# Altium PCB IOT_Masterv2_301115.PcbDoc (part 1 of 2)
Units mm, origin at the board's own origin, x right, y up, seen from the top; angles counter-clockwise.
Board outline 105 x 110 mm, 2 copper layers (Top Layer, Bottom Layer); 132 components, 115 nets, 767 pads, 50 vias.
Unrouted connection lines stored in the file: 3.
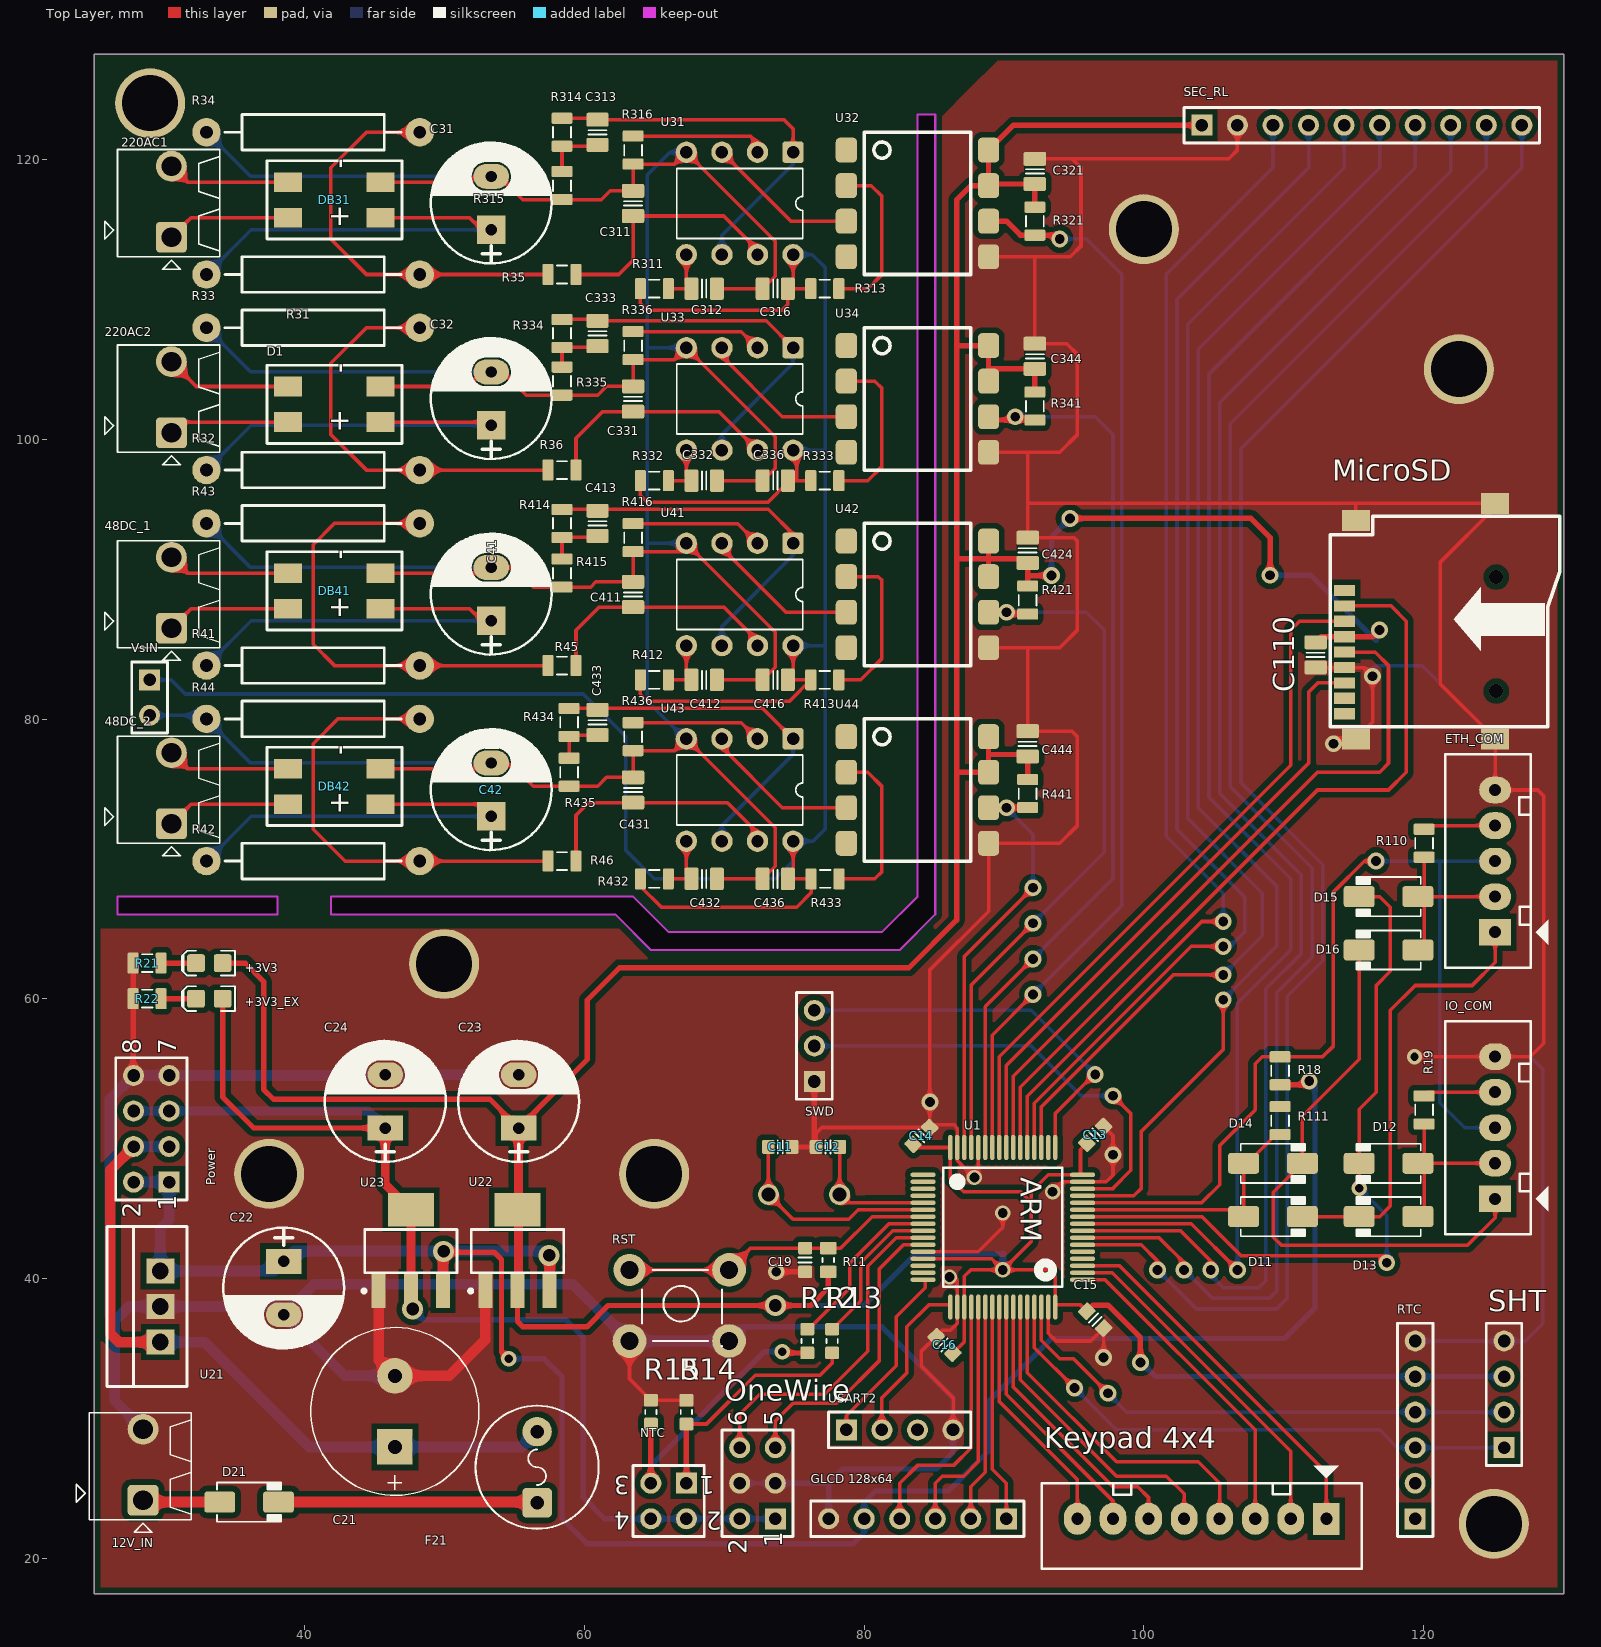
[diagram p0: Top Layer view]
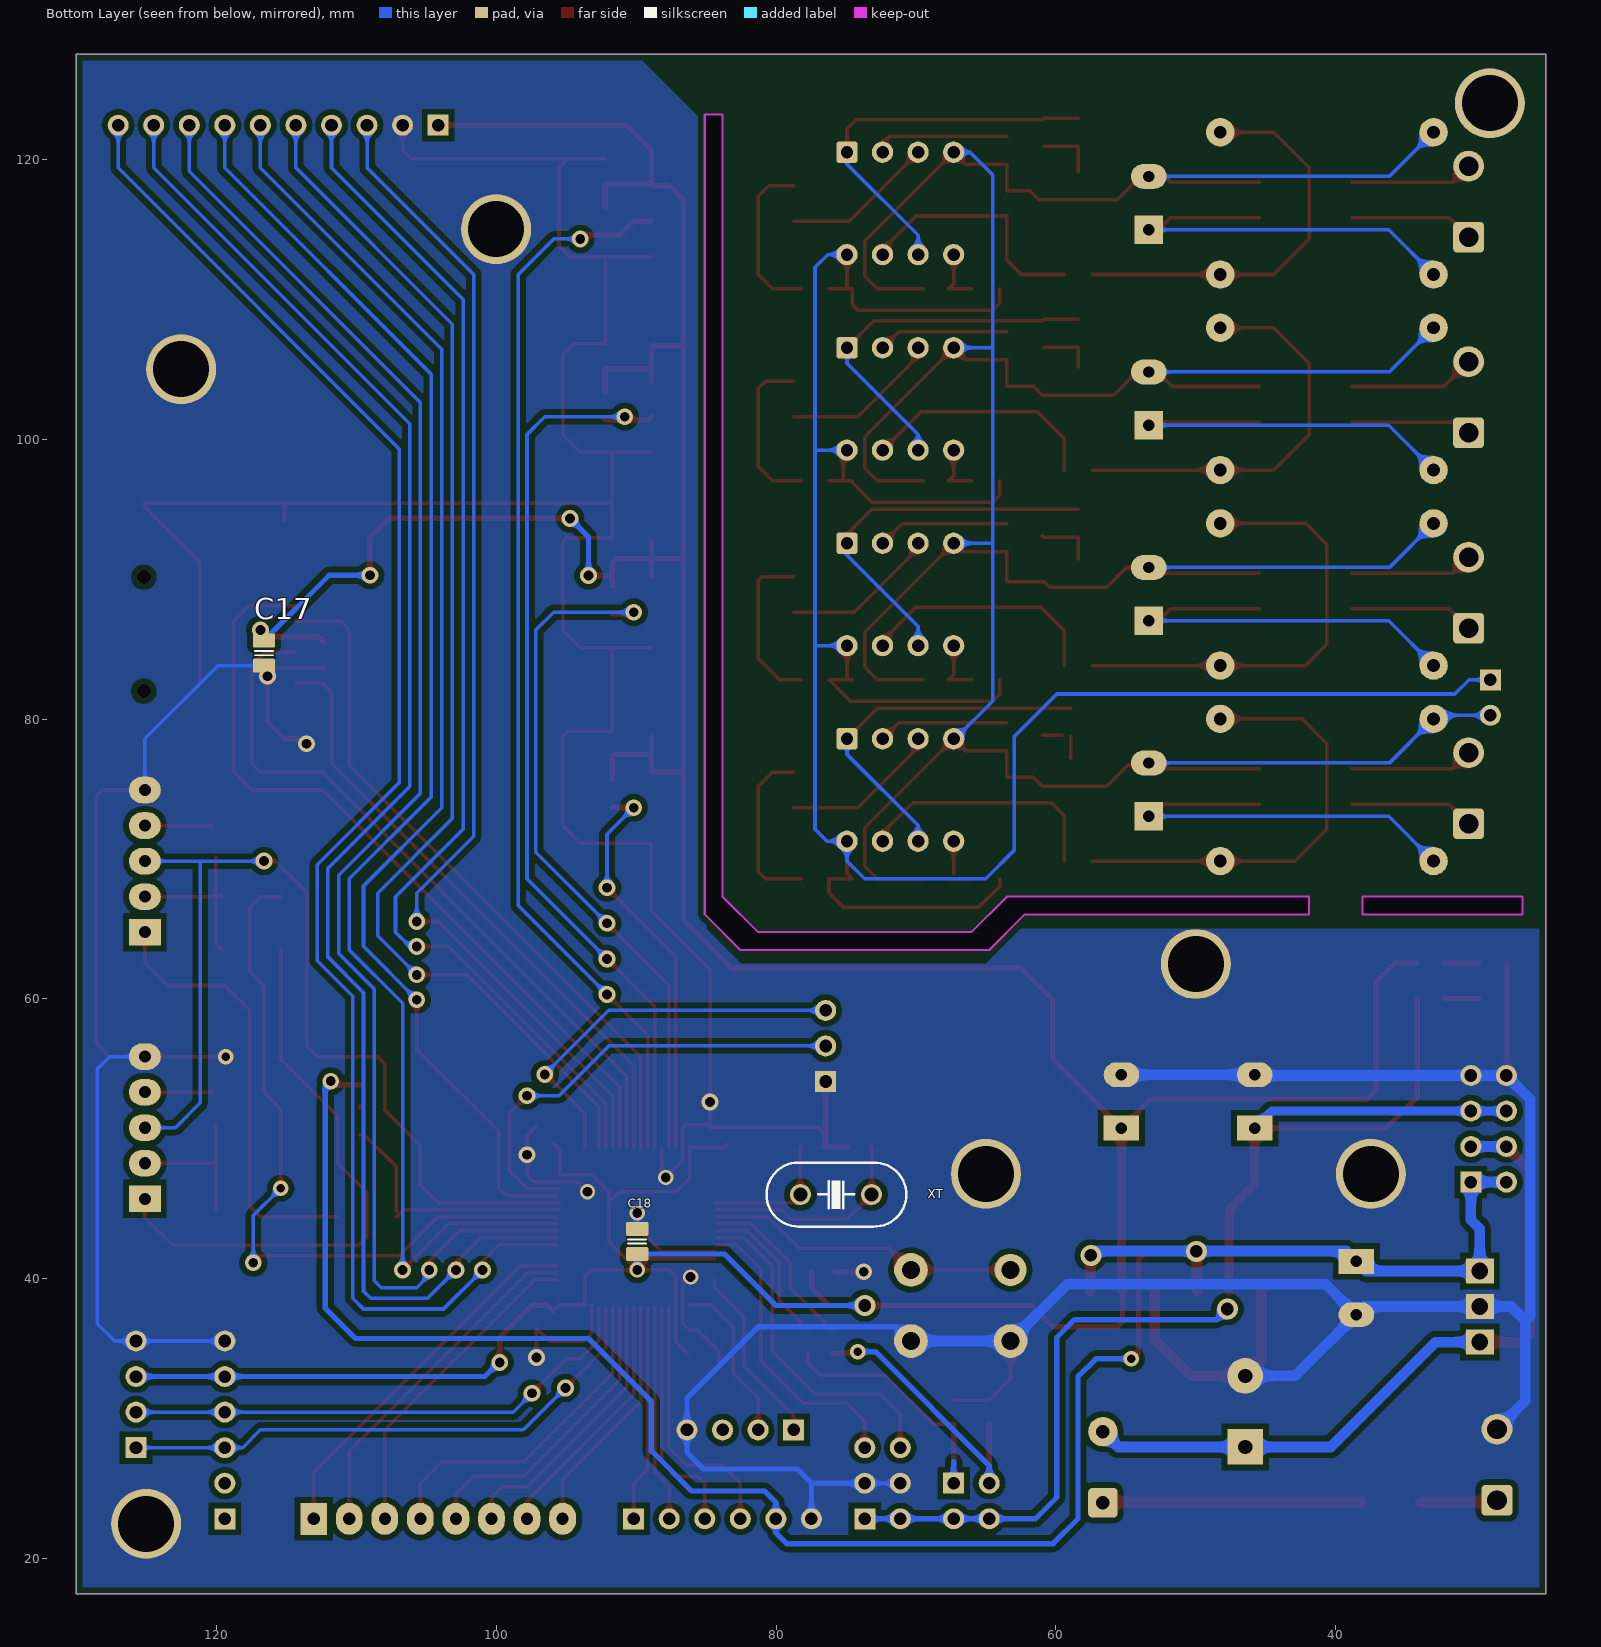
[diagram p1: Bottom Layer view, seen from below]
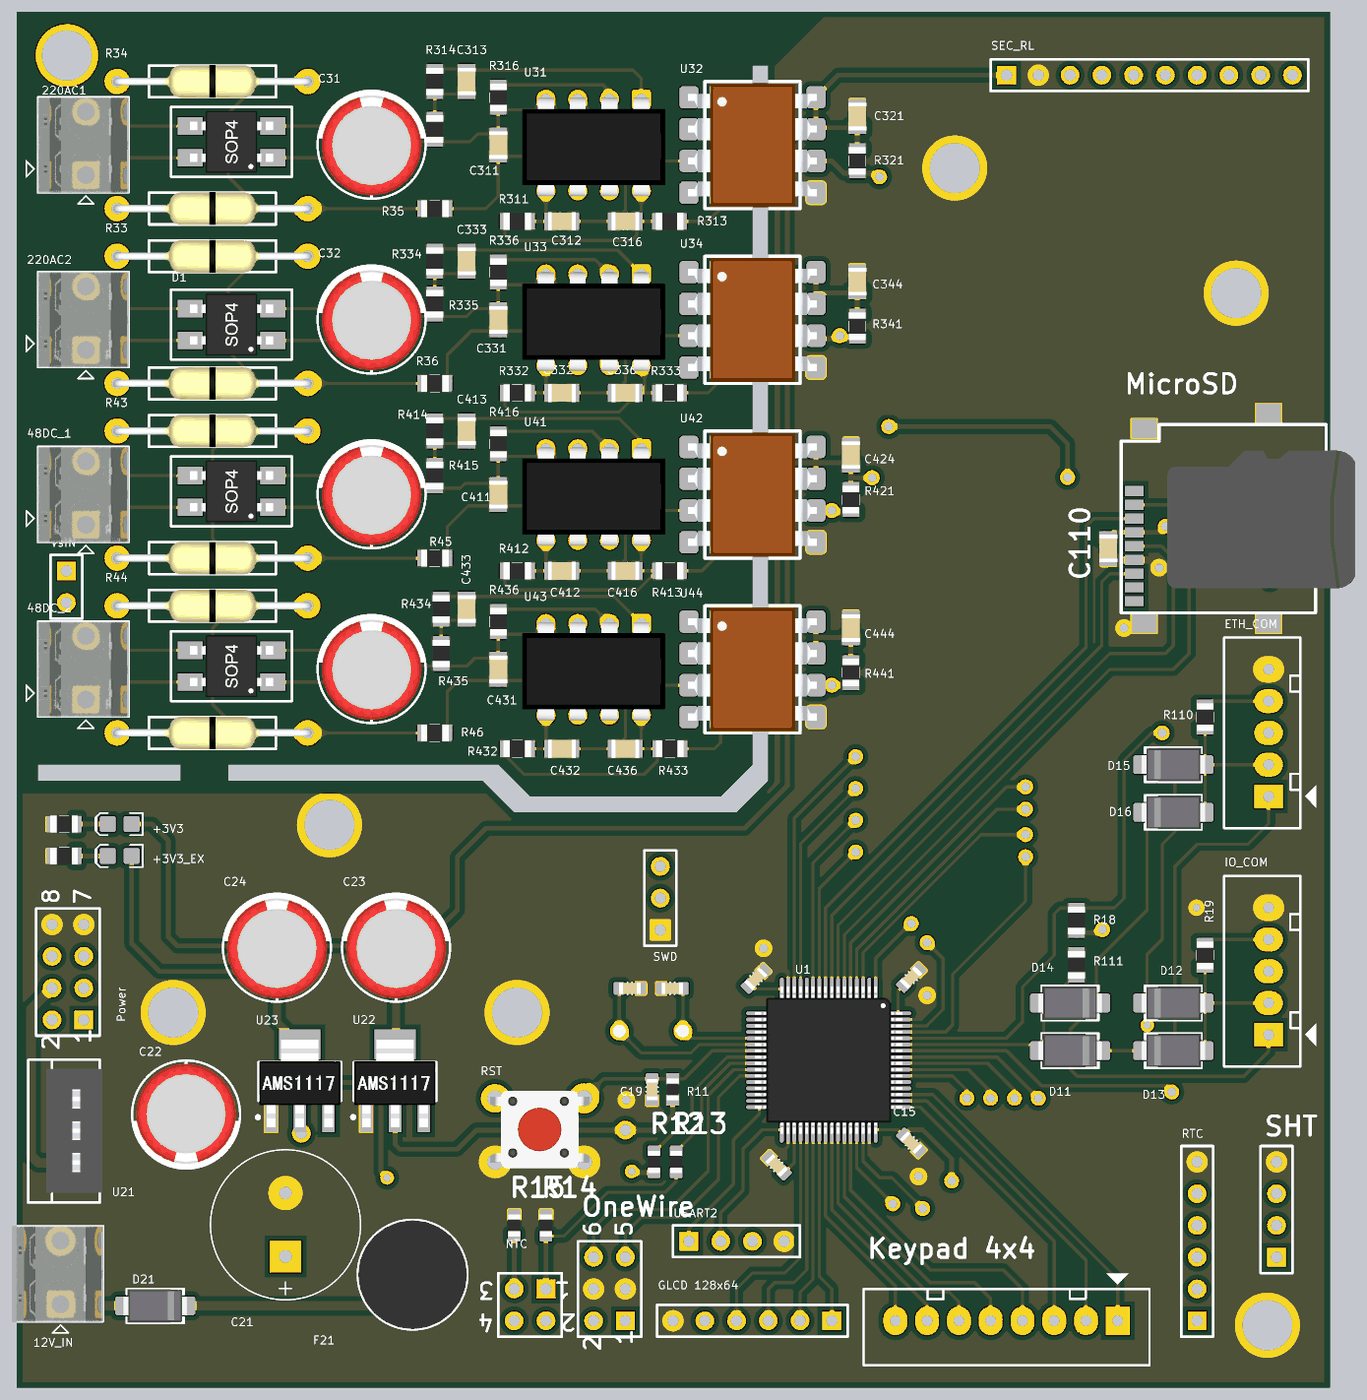
[diagram p3: 3D render of the assembled board from above, using the file's embedded part models]
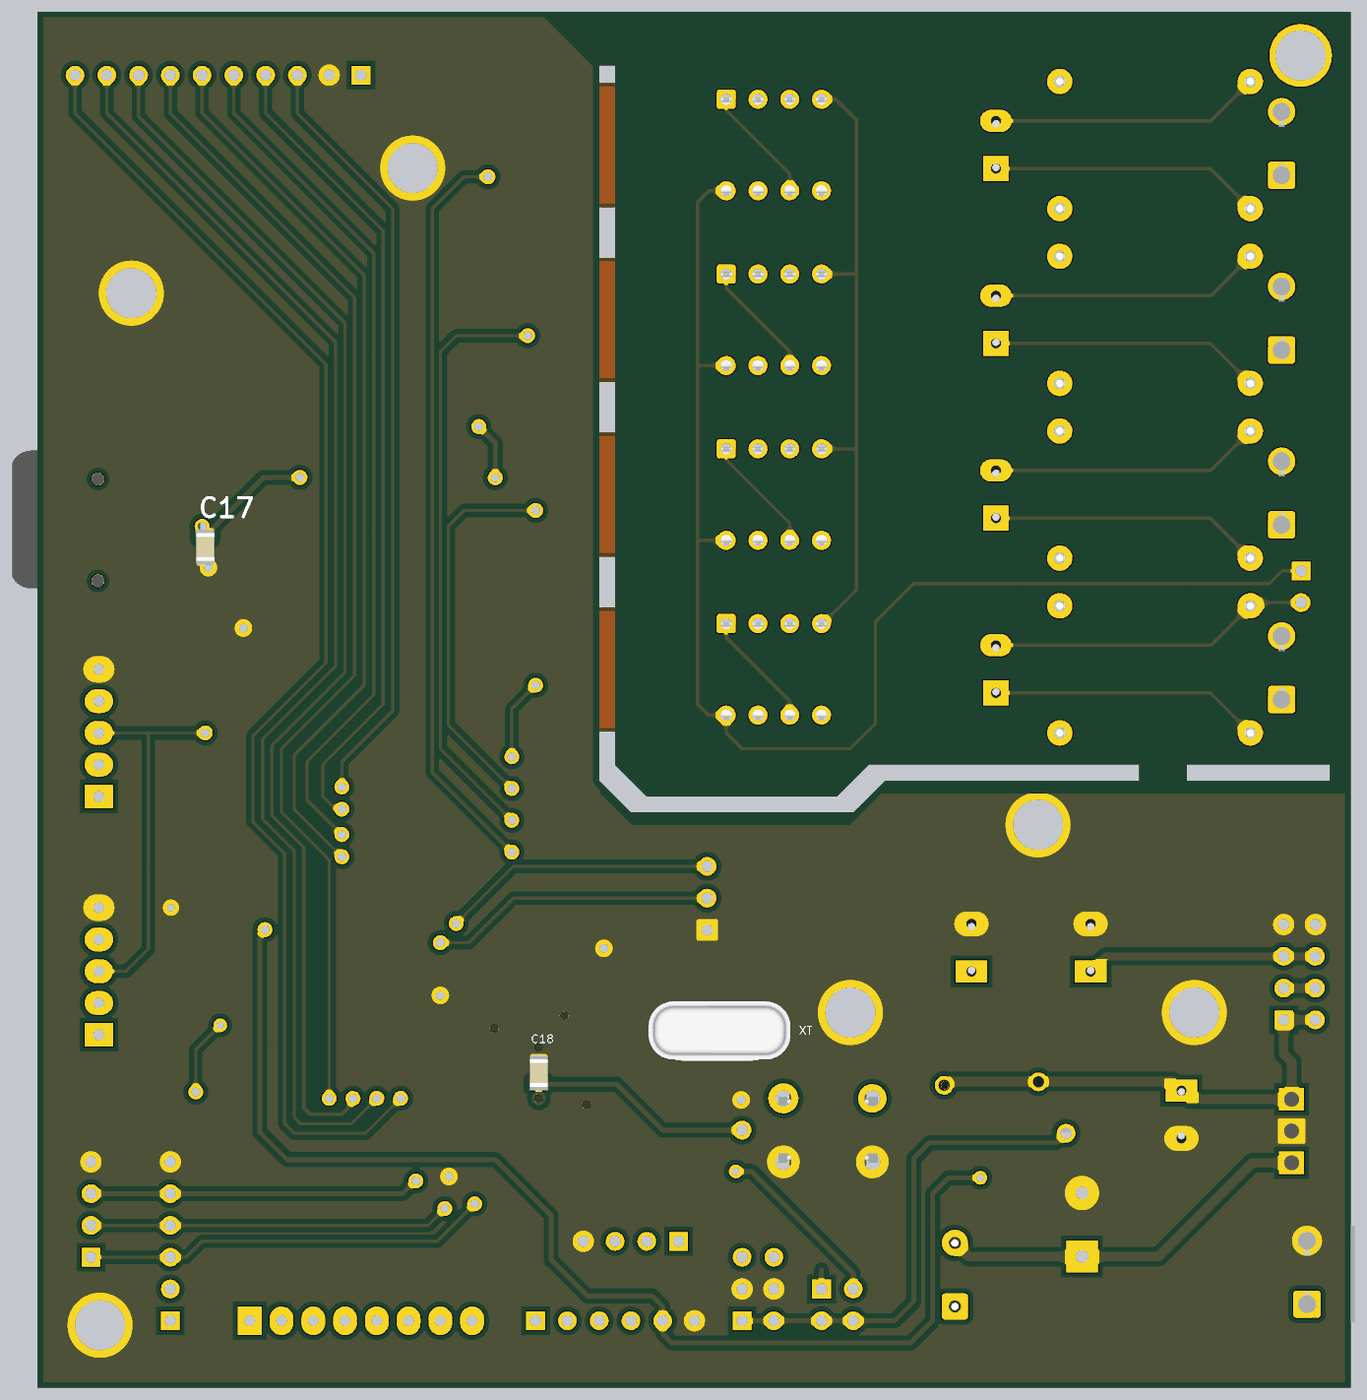
[diagram p4: 3D render of the assembled board from below, using the file's embedded part models]

## Layer stack, top to bottom
Top Solder: solder mask 0.0102, Solder Resist, Dk 3.5
Top Layer: signal copper 0.0356
Dielectric 1: dielectric 0.32, FR-4, Dk 4.8
Bottom Layer: signal copper 0.0356
Bottom Solder: solder mask 0.0102, Solder Resist, Dk 3.5

## Board outline
25,17.5 25,127.5 130,127.5 130,17.5
cut-out: 26.67,66.04 38.1,66.04 38.1,67.31 26.67,67.31
cut-out: 41.91,67.31 63.5,67.31 66.04,64.77 81.28,64.77 83.82,67.31 83.82,123.19 85.09,123.19 85.09,66.04 82.55,63.5 64.77,63.5 62.23,66.04 41.91,66.04

## Design rules (kind name [scope] priority, off if disabled: settings)
Clearance [All] p1: gap=0.178 except(0.4: Arc-Poly Track-Poly SMDPad-Poly THPad-Poly Via-Poly Fill-Poly Poly-Poly)
PlaneConnect [All] p1: planeconnectstyle=Direct reliefexpansion=0.508 reliefentries=4 reliefconductorwidth=0.254 reliefairgap=0.254
PolygonConnect [All] p1: connectstyle=Direct reliefconductorwidth=0.254 reliefentries=4 polygonreliefangle="90 Angle" airgapwidth=0.254
RoutingVias [All] p1: holewidth=0.711 width=1.27 viastyle="Through Hole" minholewidth=0.6 minwidth=1.1 maxholewidth=5 maxwidth=5
SolderMaskExpansion [All] p1: expansion=0.102
Width [All] p1: maxlimit=5 minlimit=0.254 preferedwidth=0.254
29 further rules are at their usual default settings.

## Classes and differential pairs
component class IOT_Masterv2_301115: C11 C12 C13 C14 C15 C16 C17 C18 C19 C110 "GLCD 128x64" "Keypad 4x4" MicroSD NTC OneWire R11 R12 R13 R14 R15 RST RTC SEC_RL SHT SWD U1 USART2 XT
component class IOT_Masterv2_301115_Power: 12V_IN +3V3 +3V3_EX C21 C22 C23 C24 D21 F21 Power R21 R22 U21 U22 U23
component class Measure_v2_301115: 48DC_1 48DC_2 220AC1 220AC2 C31 C32 C41 C42 C311 C312 C313 C316 C321 C331 C332 C333 C336 C344 C411 C412 C413 C416 C424 C431 C432 C433 C436 C444 D1 DB31 DB41 DB42 R31 R32 R33 R34 R35 R36 R41 R42 R43 R44 R45 R46 R311 R313 R314 R315 R316 R321 R332 R333 R334 R335 R336 R341 R412 R413 R414 R415 R416 R421 R432 R433 R434 R435 R436 R441 U31 U32 U33 U34 U41 U42 U43 U44 VsIN
component class IOT_Masterv2_301115_Comunication: D11 D12 D13 D14 D15 D16 ETH_COM IO_COM R18 R19 R110 R111

## Components (designator, comment, footprint, x,y, rotation, side; value= is the part's Value field where it differs from the comment)
12V_IN "Stackable ScrewTerm" 2P_PCB_ScrewTerm_200mil 24.638,22.784 r0 top
48DC_1 "Stackable ScrewTerm" 2P_PCB_ScrewTerm_200mil 26.67,85.09 r0 top
48DC_2 "Stackable ScrewTerm" 2P_PCB_ScrewTerm_200mil 26.67,71.12 r0 top
220AC1 "Stackable ScrewTerm" 2P_PCB_ScrewTerm_200mil 26.67,113.03 r0 top
220AC2 "Stackable ScrewTerm" 2P_PCB_ScrewTerm_200mil 26.67,99.06 r0 top
+3V3 "Blue" LED-0805-K 33.223,62.56 r180 top
+3V3_EX "Blue" LED-0805-K 33.223,60.02 r180 top
C11 "Cap_22p_0603" CAPC1608N 74.016,49.428 r0 top
C12 "Cap_22p_0603" CAPC1608N 77.419,49.428 r180 top
C13 "Cap_104_0603" CAPC1608N 96.52,50.292 r225 top
C14 "Cap_104_0603" CAPC1608N 84.099,50.216 r225 top
C15 "Cap_104_0603" CAPC1608N 96.52,37.084 r135 top
C16 "Cap_104_0603" CAPC1608N 85.75,35.281 r315 top
C17 "CAP NP" CAPC2012N_F#1 116.586,84.709 r90 bottom
C18 "Cap_10uF_0805" CAPC2012N_F#1 89.916,42.672 r270 bottom
C19 "Cap_104_0603" CAPC1608N 75.794,41.351 r90 top
C21 "2200uF/35V" CP_1000uF_25V 46.482,30.531 r90 top
C22 "330uF/25V" CP1.5/3.4 38.532,41.25 r270 top
C23 "330uF/25V" CP1.5/3.4 55.321,50.775 r90 top
C24 "330uF/25V" CP1.5/3.4 45.796,50.775 r90 top
C31 "Cap" "CAP 3.8mm" 53.34,116.84 r90 top
C32 "Cap" "CAP 3.8mm" 53.34,102.87 r90 top
C41 "Cap" "CAP 3.8mm" 53.34,88.9 r90 top
C42 "Cap" "CAP 3.8mm" 53.34,74.93 r90 top
C110 "CAP NP" CAPC2012N_F#2 112.268,84.582 r90 top
C311 "CAP NP" CAPC2012N_F#2 63.5,116.84 r270 top
C312 "CAP NP" CAPC2012N_F#2 68.58,110.744 r180 top
C313 "CAP NP" CAPC2012N_F#2 60.96,121.92 r270 top
C316 "CAP NP" CAPC2012N_F#2 73.66,110.744 r0 top
C321 "CAP NP" CAPC2012N_F#2 92.202,119.126 r270 top
C331 "CAP NP" CAPC2012N_F#2 63.5,102.87 r270 top
C332 "CAP NP" CAPC2012N_F#2 68.58,97.028 r180 top
C333 "CAP NP" CAPC2012N_F#2 60.96,107.55 r270 top
C336 "CAP NP" CAPC2012N_F#2 73.66,97.028 r0 top
C344 "CAP NP" CAPC2012N_F#2 92.202,105.918 r270 top
C411 "CAP NP" CAPC2012N_F#2 63.5,88.9 r270 top
C412 "CAP NP" CAPC2012N_F#2 68.58,82.804 r180 top
C413 "CAP NP" CAPC2012N_F#2 60.96,93.98 r270 top
C416 "CAP NP" CAPC2012N_F#2 73.66,82.804 r0 top
C424 "CAP NP" CAPC2012N_F#2 91.694,92.056 r270 top
C431 "CAP NP" CAPC2012N_F#2 63.5,74.93 r270 top
C432 "CAP NP" CAPC2012N_F#2 68.58,68.58 r180 top
C433 "CAP NP" CAPC2012N_F#2 60.96,79.756 r270 top
C436 "CAP NP" CAPC2012N_F#2 73.66,68.58 r0 top
C444 "CAP NP" CAPC2012N_F#2 91.694,78.232 r270 top
D1 "Bridge" MB6S 46.99,99.695 r90 top
D11 "Diode" DO-214AC 109.22,44.45 r0 top
D12 "Diode" DO-214AC 109.22,48.26 r0 top
D13 "Diode" DO-214AC 117.475,44.45 r180 top
D14 "Diode" DO-214AC 117.475,48.26 r180 top
D15 "Diode" DO-214AC 117.475,67.31 r180 top
D16 "Diode" DO-214AC 117.475,63.5 r180 top
D21 "Diode" DO-214AC 36.068,24.054 r0 top
DB31 "Bridge" MB6S 46.99,114.3 r90 top
DB41 "Bridge" MB6S 46.99,86.36 r90 top
DB42 "Bridge" MB6S 46.99,72.39 r90 top
ETH_COM "JP5" CON5 125.095,64.77 r90 top
F21 "1.5A" FUSE_SR-5-BK 56.642,26.543 r90 top
"GLCD 128x64" "Header 6" HDR1X6 90.17,22.86 r180 top
IO_COM "JP5" CON5 125.095,45.72 r90 top
"Keypad 4x4" "JP8" CON8 113.03,22.86 r180 top
MicroSD "SD_CARD" MICROSD2 119.38,86.995 r270 top
NTC "Header 2X2" HDR2X2 67.31,25.4 r180 top
OneWire "Header 3X2" HDR2X3 73.66,22.86 r90 top
Power "Header 4X2" HDR2X4 30.353,46.914 r90 top
R11 "Res_10k_0603" RESC1608N_F 77.445,41.351 r270 top
R12 "Res" RESC1608N_ZERO 75.946,35.56 r90 top
R13 "Res" RESC1608N_ZERO 77.724,35.56 r90 top
R14 "Res" RESC1608N_ZERO 67.31,30.48 r270 top
R15 "Res" RESC1608N_ZERO 64.77,30.48 r270 top
R18 "Res" RESC2012N_F 109.728,54.864 r270 top
R19 "Res" RESC2012N_F 120.015,52.07 r90 top
R21 "Res_0805_1k" RESC2012N_F 28.778,62.56 r180 top
R22 "Res_0805_1k" RESC2012N_F 28.778,60.02 r180 top
R31 "Res" RESTH_0.0R_AXIAL-0.6 40.64,111.76 r0 top
R32 "Res" RESTH_0.0R_AXIAL-0.6 40.64,97.79 r0 top
R33 "Res" RESTH_0.0R_AXIAL-0.6 40.64,107.95 r0 top
R34 "Res" RESTH_0.0R_AXIAL-0.6 40.64,121.92 r0 top
R35 "Res" RESC2012N_F 58.42,111.76 r0 top
R36 "Res" RESC2012N_F 58.42,97.79 r0 top
R41 "Res" RESTH_0.0R_AXIAL-0.6 40.64,83.82 r0 top
R42 "Res" RESTH_0.0R_AXIAL-0.6 40.64,69.85 r0 top
R43 "Res" RESTH_0.0R_AXIAL-0.6 40.64,93.98 r0 top
R44 "Res" RESTH_0.0R_AXIAL-0.6 40.64,80.01 r0 top
R45 "Res" RESC2012N_F 58.42,83.82 r0 top
R46 "Res" RESC2012N_F 58.42,69.85 r0 top
R110 "Res" RESC2012N_F 120.015,71.12 r90 top
R111 "Res" RESC2012N_F 109.728,51.308 r90 top
R311 "Res" RESC2012N_F 65.024,110.744 r0 top
R313 "Res" RESC2012N_F 77.2,110.744 r180 top
R314 "Res" RESC2012N_F 58.42,121.92 r90 top
R315 "Res" RESC2012N_F 58.42,118.11 r90 top
R316 "Res" RESC2012N_F 63.5,120.65 r90 top
R321 "Res" RESC2012N_F 92.202,115.57 r90 top
R332 "Res" RESC2012N_F 65.024,97.028 r0 top
R333 "Res" RESC2012N_F 77.2,97.028 r180 top
R334 "Res" RESC2012N_F 58.42,107.55 r90 top
R335 "Res" RESC2012N_F 58.42,104.14 r90 top
R336 "Res" RESC2012N_F 63.5,106.68 r90 top
R341 "Res" RESC2012N_F 92.202,102.362 r90 top
R412 "Res" RESC2012N_F 65.024,82.804 r0 top
R413 "Res" RESC2012N_F 77.2,82.804 r180 top
R414 "Res" RESC2012N_F 58.42,93.98 r90 top
R415 "Res" RESC2012N_F 58.42,90.424 r90 top
R416 "Res" RESC2012N_F 63.5,92.964 r90 top
R421 "Res" RESC2012N_F 91.694,88.5 r90 top
R432 "Res" RESC2012N_F 65.024,68.58 r0 top
R433 "Res" RESC2012N_F 77.216,68.58 r180 top
R434 "Res" RESC2012N_F 58.928,79.756 r90 top
R435 "Res" RESC2012N_F 58.928,76.2 r270 top
R436 "Res" RESC2012N_F 63.5,78.74 r90 top
R441 "Res" RESC2012N_F 91.694,74.676 r90 top
RST "Button" SW 66.802,38.354 r0 top
RTC "Header 6" HDR1X6 119.38,22.86 r90 top
SEC_RL "Header 10" HDR1X10 104.14,122.428 r0 top
SHT "Header 4" HDR1X4 125.73,27.94 r90 top
SWD "Header 3" HDR1X3 76.454,54.102 r90 top
U1 "STM32F103RCT6" LQFP64_Tuan 89.916,43.688 r0 top
U21 "LM7805" TO-220 29.718,38.024 r90 top
U22 "AS1117" SOT223-4N 51.638,37.744 r0 top
U23 "AS1117" SOT223-4N 44.018,37.744 r0 top
U31 "LM331" DIP8-300 71.12,116.84 r270 top
U32 "6N137" SMD-8 81.28,115.57 r270 top
U33 "LM331" DIP8-300 71.12,102.87 r270 top
U34 "6N137" SMD-8 81.28,101.6 r270 top
U41 "LM331" DIP8-300 71.12,88.9 r270 top
U42 "6N137" SMD-8 81.28,87.63 r270 top
U43 "LM331" DIP8-300 71.12,74.93 r270 top
U44 "6N137" SMD-8 81.28,73.66 r270 top
USART2 "Header 4" HDR1X4 78.74,29.21 r0 top
VsIN "Header 2" HDR1X2 28.956,82.804 r270 top
XT "8MHz" XT2 75.717,46.023 r0 bottom

## Footprints (in the part's own frame and the unit in brackets; to place one, negate y for a bottom-side part, rotate by r counter-clockwise, add the part's x,y. Pads: shape width x height; smd on the part's side, far side on the other; paste and mask are expansions set on the pad)
2P_PCB_ScrewTerm_200mil [mm]
  rrect25% 2.2x2.2 hole 1.4: 1(3.85,1.397)
  round 2.2 hole 1.4: 2(3.85,6.477)
  silkscreen extent -0.93,-0.89 7.3,7.66, body extent 0,0 7.3,7.62, height 8.5
"CAP 3.8mm" [mil] "16V 470uF"
  rect 80x80 hole 31.5: 1(-74,-1)
  oval 70x100 hole 31.5: 2(76,-1)
  silkscreen extent -169,-171 171,169, body extent -159,-158 156,156, height 446
CAPC1608N [mm] "Chip Capacitor, Body 1.6x0.8mm, 0603, IPC Medium Density"
  round 0.254 on Mech14: 0(0,0)
  rrect25% 0.9x1 smd: 1(-0.85,0) 2(0.85,0)
  Top Layer pour cut-out: -0.4,0.6 0.4,0.6 0.4,-0.6 -0.4,-0.6
  silkscreen extent -0.18,-0.48 0.18,0.48, body extent -0.85,-0.45 0.85,0.45, height 0.89
CAPC2012N_F#1 [mm] "Chip Capacitor, Body 2.0x1.2mm, 0805, IPC Medium Density, for Flex circuits"
  round 0.254 on Mech14: 0(0,0)
  rrect25% 1.2x1.4 on Bottom Solder: 1(-0.9,0) 1(0.9,0)
  rrect25% 1x1.6 smd paste-1: 1(-0.9,0) 2(0.9,0)
  rrect25% 1x1.4 on Bottom Paste: 1(-0.9,0) 1(0.9,0)
  Top Layer pour cut-out: -0.4,0.8 0.4,0.8 0.4,-0.8 -0.4,-0.8
  silkscreen extent -0.15,-0.65 0.15,0.65, body extent -1.1,-0.72 1.1,0.73, height 1.34
CAPC2012N_F#2 [mm] "Chip Capacitor, Body 2.0x1.2mm, 0805, IPC Medium Density, for Flex circuits"
  round 0.254 on Mech14: 0(0,0)
  rrect25% 1.2x1.4 on Top Solder: 1(-0.9,0) 1(0.9,0)
  rrect25% 1x1.6 smd paste-1: 1(-0.9,0) 2(0.9,0)
  rrect25% 1x1.4 on Top Paste: 1(-0.9,0) 1(0.9,0)
  Top Layer pour cut-out: -0.4,0.8 0.4,0.8 0.4,-0.8 -0.4,-0.8
  silkscreen extent -0.15,-0.65 0.15,0.65, body extent -1.1,-0.72 1.1,0.73, height 1.34
CON5 [mil] "CON5"
  rect 75x90 hole 34: 1(0,0)
  oval 75x90 hole 34: 2(100,0) 3(200,0) 4(300,0) 5(400,0)
  silkscreen extent -100,-150 500,140
CON8 [mil] "CON8"
  rect 75x90 hole 34: 1(0,0)
  oval 75x90 hole 34: 2(100,0) 3(200,0) 4(300,0) 5(400,0) 6(500,0) 7(600,0) 8(700,0)
  silkscreen extent -100,-150 800,140
CP1.5/3.4 [mil] "Tu hoa 220->470uF,16V, 470uF/16V,25V"
  rect 70x100 hole 32: 1(0,0)
  oval 70x100 hole 32: 2(150,0)
  silkscreen extent -95,-170 245,170, body extent -85,-157 230,157, height 446
CP_1000uF_25V [mil]
  rect 100x100 hole 40: 1(-100,0)
  round 100 hole 40: 2(100,0)
  silkscreen extent -236,-236 236,236, body extent -236,-236 237,236, height 791
DIP8-300 [mil] "DIP, 8-Leads, 0.300\" lead span , 0.100\" lead pitch, IPC Density A"
  round 39.37 on Mech14: 0(0,0)
  rrect25% 60x60 hole 35: 1(-144,150)
  round 60 hole 35: 2(-144,50) 3(-144,-50) 4(-144,-150) 5(144,-150) 6(144,-50) 7(144,50) 8(144,150)
  silkscreen extent -98,-177 98,177, body extent -149,-225 161,225, height 165
DO-214AC [mm] "JEDEC DO214 variation AC. SMA"
  round 0.508 on Mech14: 0(0,0)
  rrect25% 2.2x1.5 smd: A(-2.1,0) K(2.1,0)
  silkscreen extent -2.3,-1.4 2.3,1.4, body extent -2.6,-1.3 2.6,1.3, height 2.42
FUSE_SR-5-BK [mm]
  round 0.5 on Mech14: 0(0,0)
  rrect25% 2.1x2.1 hole 0.965: 1(-2.54,0)
  round 2.1 hole 0.965: 2(2.54,0)
  silkscreen extent -4.4,-4.4 4.4,4.4, body extent -4.35,-4.32 4.35,4.32, height 8.29
HDR1X2 [mm] "Connector; Header; 2 Position"
  rect 1.5x1.5 hole 0.9: 1(0,0)
  round 1.5 hole 0.9: 2(2.54,0)
  silkscreen extent -1.27,-1.27 3.81,1.27, body extent -1.27,-1.27 3.81,1.27, height 7
HDR1X3 [mm] "Connector; Header; 3 Position"
  rect 1.5x1.5 hole 0.9: 1(0,0)
  round 1.5 hole 0.9: 2(2.54,0) 3(5.08,0)
  silkscreen extent -1.27,-1.27 6.35,1.27, body extent -1.27,-1.27 6.35,1.27, height 7
HDR1X4 [mm] "Connector; Header; 4 Position"
  rect 1.5x1.5 hole 0.9: 1(0,0)
  round 1.5 hole 0.9: 2(2.54,0) 3(5.08,0) 4(7.62,0)
  silkscreen extent -1.27,-1.27 8.89,1.27, body extent -1.27,-1.27 8.89,1.27, height 7
HDR1X6 [mm] "Connector; Header; 6 Position"
  rect 1.5x1.5 hole 0.9: 1(0,0)
  round 1.5 hole 0.9: 2(2.54,0) 3(5.08,0) 4(7.62,0) 5(10.16,0) 6(12.7,0)
  silkscreen extent -1.27,-1.27 13.97,1.27
HDR1X10 [mm] "Connector; Header; 10 Position"
  rect 1.5x1.5 hole 0.9: 1(0,0)
  round 1.5 hole 0.9: 2(2.54,0) 3(5.08,0) 4(7.62,0) 5(10.16,0) 6(12.7,0) 7(15.24,0) 8(17.78,0) 9(20.32,0) 10(22.86,0)
  silkscreen extent -1.27,-1.27 24.13,1.27
HDR2X2 [mm] "Connector; Header; 2x2 Position"
  rect 1.5x1.5 hole 0.9: 1(0,0)
  round 1.5 hole 0.9: 2(0,2.54) 3(2.54,0) 4(2.54,2.54)
  silkscreen extent -1.27,-1.27 3.81,3.81, body extent -1.27,-1.27 3.81,3.81, height 7
HDR2X3 [mm] "Connector; Header; 3x2 Position"
  rect 1.5x1.5 hole 0.9: 1(0,0)
  round 1.5 hole 0.9: 2(0,2.54) 3(2.54,0) 4(2.54,2.54) 5(5.08,0) 6(5.08,2.54)
  silkscreen extent -1.27,-1.27 6.35,3.81, body extent -1.27,-1.27 6.35,3.81, height 7
HDR2X4 [mm] "Connector; Header; 4x2 Position"
  rect 1.5x1.5 hole 0.9: 1(0,0)
  round 1.5 hole 0.9: 2(0,2.54) 3(2.54,0) 4(2.54,2.54) 5(5.08,0) 6(5.08,2.54) 7(7.62,0) 8(7.62,2.54)
  silkscreen extent -1.27,-1.27 8.89,3.81, body extent -1.27,-1.27 8.89,3.81, height 7
LED-0805-K [mil]
  round 20 on Mech14: 0(0,0)
  rrect25% 50x50 smd: A(-37.5,0) K(37.5,0)
  Top Layer pour cut-out: -15,30 15,30 15,-30 -15,-30
  silkscreen extent -72,-35 77,35, body extent -39,-25 39,25, height 31
LQFP64_Tuan [mm] "Thin QFP, 64-Leads, Body 10x10mm, Pitch 0.5mm, IPC Medium Density"
  oval 1.8x0.3 smd: 1(-5.7,3.75) 2(-5.7,3.25) 3(-5.7,2.75) 4(-5.7,2.25) 5(-5.7,1.75) 6(-5.7,1.25) 7(-5.7,0.75) 8(-5.7,0.25) 9(-5.7,-0.25) 10(-5.7,-0.75) 11(-5.7,-1.25) 12(-5.7,-1.75) 13(-5.7,-2.25) 14(-5.7,-2.75) 15(-5.7,-3.25) 16(-5.7,-3.75) 33(5.7,-3.75) 34(5.7,-3.25) 35(5.7,-2.75) 36(5.7,-2.25) 37(5.7,-1.75) 38(5.7,-1.25) 39(5.7,-0.75) 40(5.7,-0.25) 41(5.7,0.25) 42(5.7,0.75) 43(5.7,1.25) 44(5.7,1.75) 45(5.7,2.25) 46(5.7,2.75) 47(5.7,3.25) 48(5.7,3.75)
  oval 0.3x1.8 smd: 17(-3.75,-5.7) 18(-3.25,-5.7) 19(-2.75,-5.7) 20(-2.25,-5.7) 21(-1.75,-5.7) 22(-1.25,-5.7) 23(-0.75,-5.7) 24(-0.25,-5.7) 25(0.25,-5.7) 26(0.75,-5.7) 27(1.25,-5.7) 28(1.75,-5.7) 29(2.25,-5.7) 30(2.75,-5.7) 31(3.25,-5.7) 32(3.75,-5.7) 49(3.75,5.7) 50(3.25,5.7) 51(2.75,5.7) 52(2.25,5.7) 53(1.75,5.7) 54(1.25,5.7) 55(0.75,5.7) 56(0.25,5.7) 57(-0.25,5.7) 58(-0.75,5.7) 59(-1.25,5.7) 60(-1.75,5.7) 61(-2.25,5.7) 62(-2.75,5.7) 63(-3.25,5.7) 64(-3.75,5.7)
  silkscreen extent -4.25,-4.25 4.25,4.25, body extent -5.89,-5.89 5.89,5.89, height 1.58
MB6S [mm] "Surface mount diode bridge"
  rect 1.4x2 smd: 1(1.524,1.524) 2(1.524,8.128) 3(4.064,8.128) 4(4.064,1.524)
  silkscreen extent 0,0 5.59,9.65, body extent 0.32,1.48 5.27,8.17, height 2.9
MICROSD2 [mm]
  rect 0.8x1.5 smd: 1(-2.184,-5.039) 2(-1.084,-5.039) 3(0.016,-5.039) 4(1.116,-5.039) 5(2.216,-5.039) 6(3.316,-5.039) 7(4.416,-5.039) 8(5.516,-5.039) 9(6.616,-5.039)
  rect 1.5x2 smd: 10(8.407,-4.235) 11(8.407,5.715) 12(-8.407,5.715) 13(-7.188,-4.235)
  silkscreen extent -7.49,-6.07 7.54,10.33, body extent -7.49,-4.56 7.54,12.62, height 1.85
RESC1608N_F [mm] "Chip Resistor, Body 1.6x0.8mm, 0603, IPC Medium Density, for Flex circuits"
  round 0.254 on Mech14: 0(0,0)
  rrect25% 0.9x1.2 smd paste-1: 1(-0.85,0) 2(0.85,0)
  rrect25% 1.1x1 on Top Solder: 1(-0.85,0) 1(0.85,0)
  rrect25% 0.9x1 on Top Paste: 1(-0.85,0) 1(0.85,0)
  Top Layer pour cut-out: -0.4,0.6 0.4,0.6 0.4,-0.6 -0.4,-0.6
  silkscreen extent -0.15,-0.41 0.15,0.41, body extent -0.87,-0.47 0.88,0.48, height 0.54
RESC1608N_ZERO [mm] "Chip Resistor, Body 1.6x0.8mm, 0603, IPC Medium Density"
  round 0.254 on Mech14: 0(0,0)
  rrect25% 0.9x1 smd: 1(-0.85,0) 2(0.85,0)
  Top Layer pour cut-out: -0.4,0.6 0.4,0.6 0.4,-0.6 -0.4,-0.6
  silkscreen extent -0.15,-0.41 0.15,0.41, body extent -0.87,-0.47 0.88,0.48, height 0.54
RESC2012N_F [mm] "Chip Resistor, Body 2.0x1.2mm, 0805, IPC Medium Density"
  round 0.254 on Mech14: 0(0,0)
  rrect25% 1x1.3 on Top Solder: 1(-1,0) 1(1,0)
  rrect25% 0.8x1.5 smd paste-1: 1(-1,0) 2(1,0)
  rrect25% 0.8x1.3 on Top Paste: 1(-1,0) 1(1,0)
  Top Layer pour cut-out: -0.6,0.75 0.6,0.75 0.6,-0.75 -0.6,-0.75
  silkscreen extent -0.38,-0.63 0.38,0.64, body extent -1.1,-0.67 1.1,0.68, height 0.69
RESTH_0.0R_AXIAL-0.6 [mil] "Axial Resistor 0 Ohm, Thru-Hole; 2 Leads; 0.6 in Pin Spacing"
  round 80 hole 36: 1(-300,0) 2(300,0)
  silkscreen extent -248,-50 248,50, body extent -312,-52 312,52, height 103
SMD-8 [mm] "6N137"
  rrect40% 1.78x1.52 smd: 1(-5.08,-2.54) 2(-2.54,-2.54) 3(0,-2.54) 4(2.54,-2.54) 5(2.54,7.62) 6(0,7.62) 7(-2.54,7.62) 8(-5.08,7.62)
  silkscreen extent -6.35,-1.27 3.81,6.35, body extent -6.22,-2.61 3.69,7.69, height 5.09
SOT223-4N [mm]
  rect 1x2.4 smd: 1(1.307,1.393) 2(3.607,1.393) 3(5.907,1.393)
  rect 3.3x2.4 smd: 4(3.607,7.193)
  silkscreen extent 0.13,1.27 6.91,5.79, body extent 0.36,0.6 6.86,7.59, height 1.87
SW [mil] "6.25x6.25mm"
  round 90 hole 50: 1(-140,90)
  round 95 hole 50: 1(140,90) 2(-140,-110) 2(140,-110)
  silkscreen extent -105,-125 120,90, body extent -156,-130 156,114, height 276
TO-220 [mm]
  rect 1.8x2 hole 1.2: 1(-2.54,0) 2(0,0) 3(2.54,0)
  silkscreen extent -5.71,-1.91 5.71,3.81, body extent -4.92,-2.13 4.98,2.37, height 8.08
XT2 [mm]
  round 1.5 hole 1: 1(-2.54,0) 2(2.54,0)
  silkscreen extent -5.03,-2.29 4.96,2.29, body extent -5.93,-2.36 5.42,2.29, height 3.5

## Part data
12V_IN 48DC_1 48DC_2 220AC1 220AC2: library part 2P_ScrewTerm_90S_3.81MM, "Terminal Block Screw Type THT 2-Position 3.81mm pitch"
+3V3 +3V3_EX: library part LED_SMD_Blue_0805_100mcd, "LED 0805 SMD Blue 100mcd 470nm"
C11 C12 C13 C14 C15 C16 C18 C19: library part "CAP NP"
C21 C22 C23 C24: library part CP4, "Cap 1000uF/16V - 220uF/50V"
D1 DB31 DB41 DB42: library part Bridge1, "Full Wave Diode Bridge"
ETH_COM IO_COM: library part Con5, "Connector 5"
F21: library part Fuse
"GLCD 128x64" RTC: "Header, 6-Pin"
"Keypad 4x4": library part Con8, "Connector 8"
MicroSD: library part MicroSD, "SD/MMC holder"
NTC: "Header, 2-Pin, Dual row"
OneWire: "Header, 3-Pin, Dual row"
Power: "Header, 4-Pin, Dual row"
R11 R21 R22: library part Res
RST: library part "Button I"
SEC_RL: "Header, 10-Pin"
SHT USART2: "Header, 4-Pin"
SWD: "Header, 3-Pin"
U1: "ARM Cortex-M3 32-bit MCU, 256 KB Flash, 48 KB Internal RAM, 51 I/Os, 64-pin LQFP, -40 to 85 degC, Tray"
U21: library part LM78xx
VsIN: "Header, 2-Pin"
XT: library part Crystal

## Free pads (board coordinates)
  round 5 hole 4: D(29,124) D(37.5,47.5) D(50,62.5) D(65,47.5) D(100,115) D(122.5,105) D(125,22.5)

## Via types
v1: diameter 1.2, hole 0.7, Top Layer to Bottom Layer, 34 vias
v2: diameter 1.1, hole 0.6, Top Layer to Bottom Layer, 5 vias
v3: diameter 1.1, hole 0.7, Top Layer to Bottom Layer, tented both sides, 5 vias
v4: diameter 1.5, hole 0.9, Top Layer to Bottom Layer, 4 vias
v5: diameter 1, hole 1, Top Layer to Bottom Layer, 2 vias

## Nets (pads, with @x,y where several pads share a name; then routed paths per layer and width w, separated by ;. In a path a pad name is that pad's centre, name@x,y a point inside that pad or via, vN(x,y) a via of type N, cw(c..) or ccw(c..) an arc to the next point about the centre after c; other vN are vias at no path point)
+3V3_EX: +3V3_EX.A C24.1 NTC.2 NTC.4 OneWire.1 OneWire.2 Power.5 Power.6 U23.2 U23.4 | length 89.5
  Top Layer w0.381: +3V3_EX.A@34.176,60.02 34.176,52.997 36.398,50.775 C24.1@45.796,50.775
  Top Layer w0.635: C24.1@45.796,50.775 45.796,46.766 U23.4@47.625,44.937 U23.2@47.625,39.137
  Bottom Layer w0.381: v4@47.498,37.846 v4(47.752,37.846) 48.514,37.084 58.674,37.084 59.944,35.814 59.944,24.384 61.468,22.86 NTC.4@64.77,22.86 NTC.2@67.31,22.86 OneWire.2@71.12,22.86 OneWire.1@73.66,22.86
  Bottom Layer w0.635: Power.6@27.813,51.994 Power.5@30.353,51.994 44.577,51.994 C24.1@45.796,50.775
+5V: "GLCD 128x64.5" C22.1 Power.1 Power.2 R18.2 R111.2 U21.3 U22.3 U23.3 | length 152.7
  Top Layer w0.381: v4@49.925,41.924 49.939,41.91 53.569,41.91 54.102,41.377 54.102,34.798 v2(54.61,34.29) ; R18.2@109.728,53.864 111.547,53.864 v1(111.811,54.127)
  Top Layer w0.762: U23.3@49.925,39.137 v4@49.925,41.924 ; v4(57.506,41.681) 57.545,41.642 U22.3@57.545,39.137
  Bottom Layer w0.381: v2(54.61,34.29) 57.15,34.29 58.42,33.02 58.42,22.86 60.198,21.082 79.248,21.082 80.01,21.844 80.01,22.86 80.01,24.028 80.823,24.841 86.03,24.841 88.875,27.686 88.925,27.686 88.925,31.267 93.396,35.738 110.033,35.738 112.217,37.922 112.217,53.721 v1(111.811,54.127)
  Bottom Layer w0.762: Power.2@27.813,46.914 Power.1@30.353,46.914 30.353,44.221 29.718,43.586 U21.3@29.718,40.564 37.846,40.564 C22.1@38.532,41.25 39.268,41.986 v4@49.962,41.986 ; v4(49.962,41.961) v4@49.962,41.986 ; v4(57.506,41.681) v2(57.455,41.681) 57.15,41.986 v4@49.962,41.986
+12V: C21.1 F21.2 Power.3 Power.4 U21.1 | length 50.9
  Top Layer w0.762: Power.4@27.813,49.454 26.137,47.777 26.137,36.093 26.746,35.484 U21.1@29.718,35.484
  Bottom Layer w0.762: Power.4@27.813,49.454 Power.3@30.353,49.454 ; U21.1@29.718,35.484 32.868,35.484 40.361,27.991 C21.1@46.482,27.991 55.55,27.991 F21.2@56.642,29.083
AC_IN1: C311.2 R35.2 U31.7 | length 17.9
  Top Layer w0.254: R35.2@59.42,111.76 62.484,111.76 63.5,112.776 C311.2@63.5,115.94 69.988,115.94 72.39,113.538 U31.7@72.39,113.182
AC_IN2: C331.2 R36.2 U33.7 | length 17.2
  Top Layer w0.254: R36.2@59.42,97.79 59.42,100.06 61.33,101.97 C331.2@63.5,101.97 69.632,101.97 U33.7@72.39,99.212
ADCX_IN10: R12.2 U1.8 | length 12.4
  Top Layer w0.254: R12.2@75.946,36.41 76.034,36.41 78.994,39.37 78.994,41.148 81.784,43.938 U1.8@84.216,43.938
ADCX_IN11: R13.2 U1.9 | length 11
  Top Layer w0.254: R13.2@77.724,36.41 79.756,38.442 79.756,41.148 82.046,43.438 U1.9@84.216,43.438
COLUM1: "Keypad 4x4.5" U1.27 | length 22.1
  Top Layer w0.254: U1.27@91.166,37.988 91.166,32.786 98.044,25.908 101.6,25.908 102.87,24.638 102.87,22.86
COLUM2: "Keypad 4x4.6" U1.26 | length 20.2
  Top Layer w0.254: U1.26@90.666,37.988 90.666,32.27 97.79,25.146 99.568,25.146 100.33,24.384 100.33,22.86
COLUM3: "Keypad 4x4.7" U1.25 | length 18.3
  Top Layer w0.254: U1.25@90.166,37.988 90.166,31.754 97.79,24.13 97.79,22.86
COLUM4: "Keypad 4x4.8" U1.24 | length 17.4
  Top Layer w0.254: U1.24@89.666,37.988 89.666,31.238 95.25,25.654 95.25,22.86
DC_IN1: C411.2 R45.2 U41.7 | length 17.5
  Top Layer w0.254: R45.2@59.42,83.82 59.42,86.344 61.076,88 C411.2@63.5,88 69.988,88 72.39,85.598 U41.7@72.39,85.242
DC_IN2: C431.2 R46.2 U43.7 | length 18.1
  Top Layer w0.254: R46.2@59.42,69.85 59.42,73.136 60.314,74.03 C431.2@63.5,74.03 70.242,74.03 72.39,71.882 U43.7@72.39,71.272
ETH_RX: D15.A D16.A ETH_COM.2 R110.1@120.015,70.12 | length 12.3
  Top Layer w0.254: D16.A@119.575,63.5 120.015,63.94 D15.A@120.015,67.31 ; D15.A@119.575,67.31 D15.A@120.015,67.31 ; R110.1@120.015,70.12 D15.A@120.015,67.31 ; ETH_COM.2@125.095,67.31 D15.A@120.015,67.31
ETH_TX: D11.K D13.K ETH_COM.1 | length 31.6
  Top Layer w0.254: D11.K@111.32,44.45 D13.K@115.375,44.45 116.84,44.45 117.602,45.212 117.602,59.182 119.38,60.96 123.444,60.96 125.095,62.611 ETH_COM.1@125.095,64.77
ETH_VCC: ETH_COM.4 R110.2 | length 4.8
  Top Layer w0.254: R110.2@120.285,72.39 ETH_COM.4@125.095,72.39
EX_OSC_IN: C12.1 U1.5 XT.2 | length 13.9
  Top Layer w0.254: C12.1@78.269,49.428 78.257,49.417 XT.2@78.257,46.023 78.843,45.438 U1.5@84.216,45.438 ; 80.038,45.438 U1.5@84.366,45.438
EX_OSC_OUT: C11.1 U1.6 XT.1 | length 15.4
  Top Layer w0.254: C11.1@73.166,49.428 73.166,46.035 XT.1@73.177,46.023 74.929,44.272 78.918,44.272 79.584,44.938 U1.6@84.216,44.938
GND: 12V_IN.2 "GLCD 128x64.6" C11.2 C12.2 C13.1 C14.1 C15.1 C16.1 C17.1@116.586,83.809 C18.1@89.916,43.572 C19.1 C21.2 C22.2 C23.2 C24.2 C110.1@112.268,83.682 C321.1@92.202,120.026 C344.1@92.202,106.818 C424.1@91.694,92.956 C444.1@91.694,79.132 ETH_COM.5 IO_COM.5 MicroSD.6 MicroSD.10 MicroSD.11 MicroSD.12 MicroSD.13 OneWire.3 OneWire.4 pad.D Power.7 Power.8 R14.1 R15.1 R21.2 R22.2 RST.2 RTC.6 SEC_RL.2 SHT.4 SWD.1 U1.12 U1.18 U1.31 U1.47 U1.60 U1.63 U21.2 U22.1 U23.1 U32.5 U34.5 U42.5 U44.5 USART2.4 | length 517.9
  Top Layer w0.254: RST.2@63.246,35.56 63.246,32.854 R15.1@64.77,31.33 R14.1@67.31,31.33 ; C12.2@76.569,49.428 76.569,50.407 76.979,50.817 C14.1@84.7,50.817 ; U1.12@84.366,41.938 88.166,41.938 89.916,43.688 v3(89.916,44.704) ; v3(86.106,40.132) 86.36,40.132 86.666,39.826 U1.18@86.666,37.988 86.666,36.814 86.174,36.322 85.598,36.322 85.158,35.882 C16.1@85.149,35.882 84.074,34.806 84.074,33.782 86.36,31.496 USART2.4@86.36,29.21 ; U1.60@88.166,49.238 88.166,47.526 v3(87.884,47.244) 86.666,48.462 U1.63@86.666,49.388 86.666,50.773 86.436,51.003 84.887,51.003 C14.1@84.7,50.817 ; U42.5@88.9,85.09 91.694,85.09 ; U34.5@88.9,99.06 91.694,99.06 ; U32.5@88.9,113.03 92.202,113.03 ; 91.719,95.402 MicroSD.12@125.095,95.402 125.095,95.123 121.158,91.186 121.158,82.525 MicroSD.11@125.095,78.588 ETH_COM.5@125.095,74.93 128.143,74.93 128.575,74.498 128.575,56.845 127.61,55.88 IO_COM.5@125.095,55.88 v2(119.329,55.88) ; C321.1@92.202,120.026 94.858,120.026 ; U1.31@93.166,38.138 93.166,36.12 93.726,35.56 96.198,35.56 C15.1@97.121,36.483 97.121,34.408 v1(97.104,34.392) ; v3(93.472,46.228) 94.182,46.938 U1.47@95.466,46.938 ; U1.47@95.516,46.938 97.318,46.938 97.79,47.41 v1(97.79,48.87) 97.79,50.224 C13.1@97.121,50.893 ; SEC_RL.2@106.68,122.428 106.68,120.65 106.056,120.026 94.858,120.026 ; C110.1@112.268,83.682 112.271,83.679 MicroSD.6@114.341,83.679 115.711,83.679 v1(116.332,83.058) 116.332,79.775 MicroSD.10@115.145,78.588 ; MicroSD.13@115.145,94.183 115.145,95.32 ; C14.1@84.7,50.817 84.7,62.069 88.9,66.269 U44.5@88.9,71.12 93.98,71.12 95.25,72.39 95.25,78.74 94.858,79.132 C444.1@91.694,79.132 91.694,85.09 ; 91.694,85.09 93.98,85.09 95.25,86.36 95.25,92.71 95.004,92.956 C424.1@91.694,92.956 91.694,99.06 ; 91.694,99.06 93.98,99.06 95.25,100.33 95.25,106.045 94.477,106.818 C344.1@92.202,106.818 92.202,113.03 ; 92.202,113.03 94.742,113.03 95.504,113.792 95.504,119.38 94.858,120.026
  Top Layer w0.381: R21.2@27.778,62.56 R22.2@27.778,60.02 27.778,54.569 Power.8@27.813,54.534 ; v1(73.736,40.513) 73.748,40.501 C19.1@75.794,40.501 ; C11.2@74.866,49.428 C12.2@76.569,49.428 76.454,49.544 SWD.1@76.454,54.102 ; v1(113.538,78.232) 113.894,78.588 MicroSD.10@115.145,78.588
  Top Layer w0.762: U23.1@45.325,39.137 45.325,34.228 C21.2@46.482,33.071 50.368,33.071 52.945,35.648 U22.1@52.945,39.137
  Bottom Layer w0.254: OneWire.4@71.12,25.4 OneWire.3@73.66,25.4 ; C18.1@89.916,43.572 v3(89.916,44.704) ; v1(116.332,83.058) 116.332,83.555 C17.1@116.586,83.809 119.874,83.809 125.095,78.588 ETH_COM.5@125.095,74.93 ; RTC.6@119.38,35.56 SHT.4@125.73,35.56 127.254,35.56 128.499,36.805 128.499,54.991 127.61,55.88 IO_COM.5@125.095,55.88
  Bottom Layer w0.381: RST.2@70.358,35.56 71.374,36.576 81.28,36.576 86.36,31.496 USART2.4@86.36,29.21 86.36,27.584 85.192,26.416 78.486,26.416 77.47,25.4 ; OneWire.3@73.66,25.4 77.47,25.4 ; 77.47,22.86 77.47,25.4
  Bottom Layer w0.762: 12V_IN.2@28.488,29.261 26.467,31.282 26.467,37.008 ; C21.2@46.482,33.071 42.901,33.071 C22.2@38.532,37.44 ; C23.2@55.321,54.585 C24.2@45.796,54.585 45.745,54.534 Power.7@30.353,54.534 Power.8@27.813,54.534 26.111,52.832 26.111,37.363 26.467,37.008 ; RST.2@70.358,35.56 RST.2@63.246,35.56 59.182,39.624 40.716,39.624 C22.2@38.532,37.44 ; 26.467,37.008 27.483,38.024 U21.2@29.718,38.024 37.948,38.024 C22.2@38.532,37.44
  other v1: 84.709,52.629
I2C2_SCL: RTC.3 SHT.1 U1.29 | length 39.4
  Top Layer w0.254: U1.29@92.166,37.988 92.166,35.088 v1(95.047,32.207)
  Bottom Layer w0.254: v1(95.047,32.207) 98.044,29.21 99.06,29.21 116.84,29.21 118.11,27.94 RTC.3@119.38,27.94 SHT.1@125.73,27.94
I2C2_SDA: RTC.4 SHT.2 U1.30 | length 37.6
  Top Layer w0.254: U1.30@92.666,37.988 92.666,35.604 93.98,34.29 94.971,34.29 v1(97.434,31.826)
  Bottom Layer w0.254: v1(97.434,31.826) 98.781,30.48 100.33,30.48 RTC.4@119.38,30.48 SHT.2@125.73,30.48